# Altium PCB GEM_AFE_128.PcbDoc (part 9 of 18) (continued)
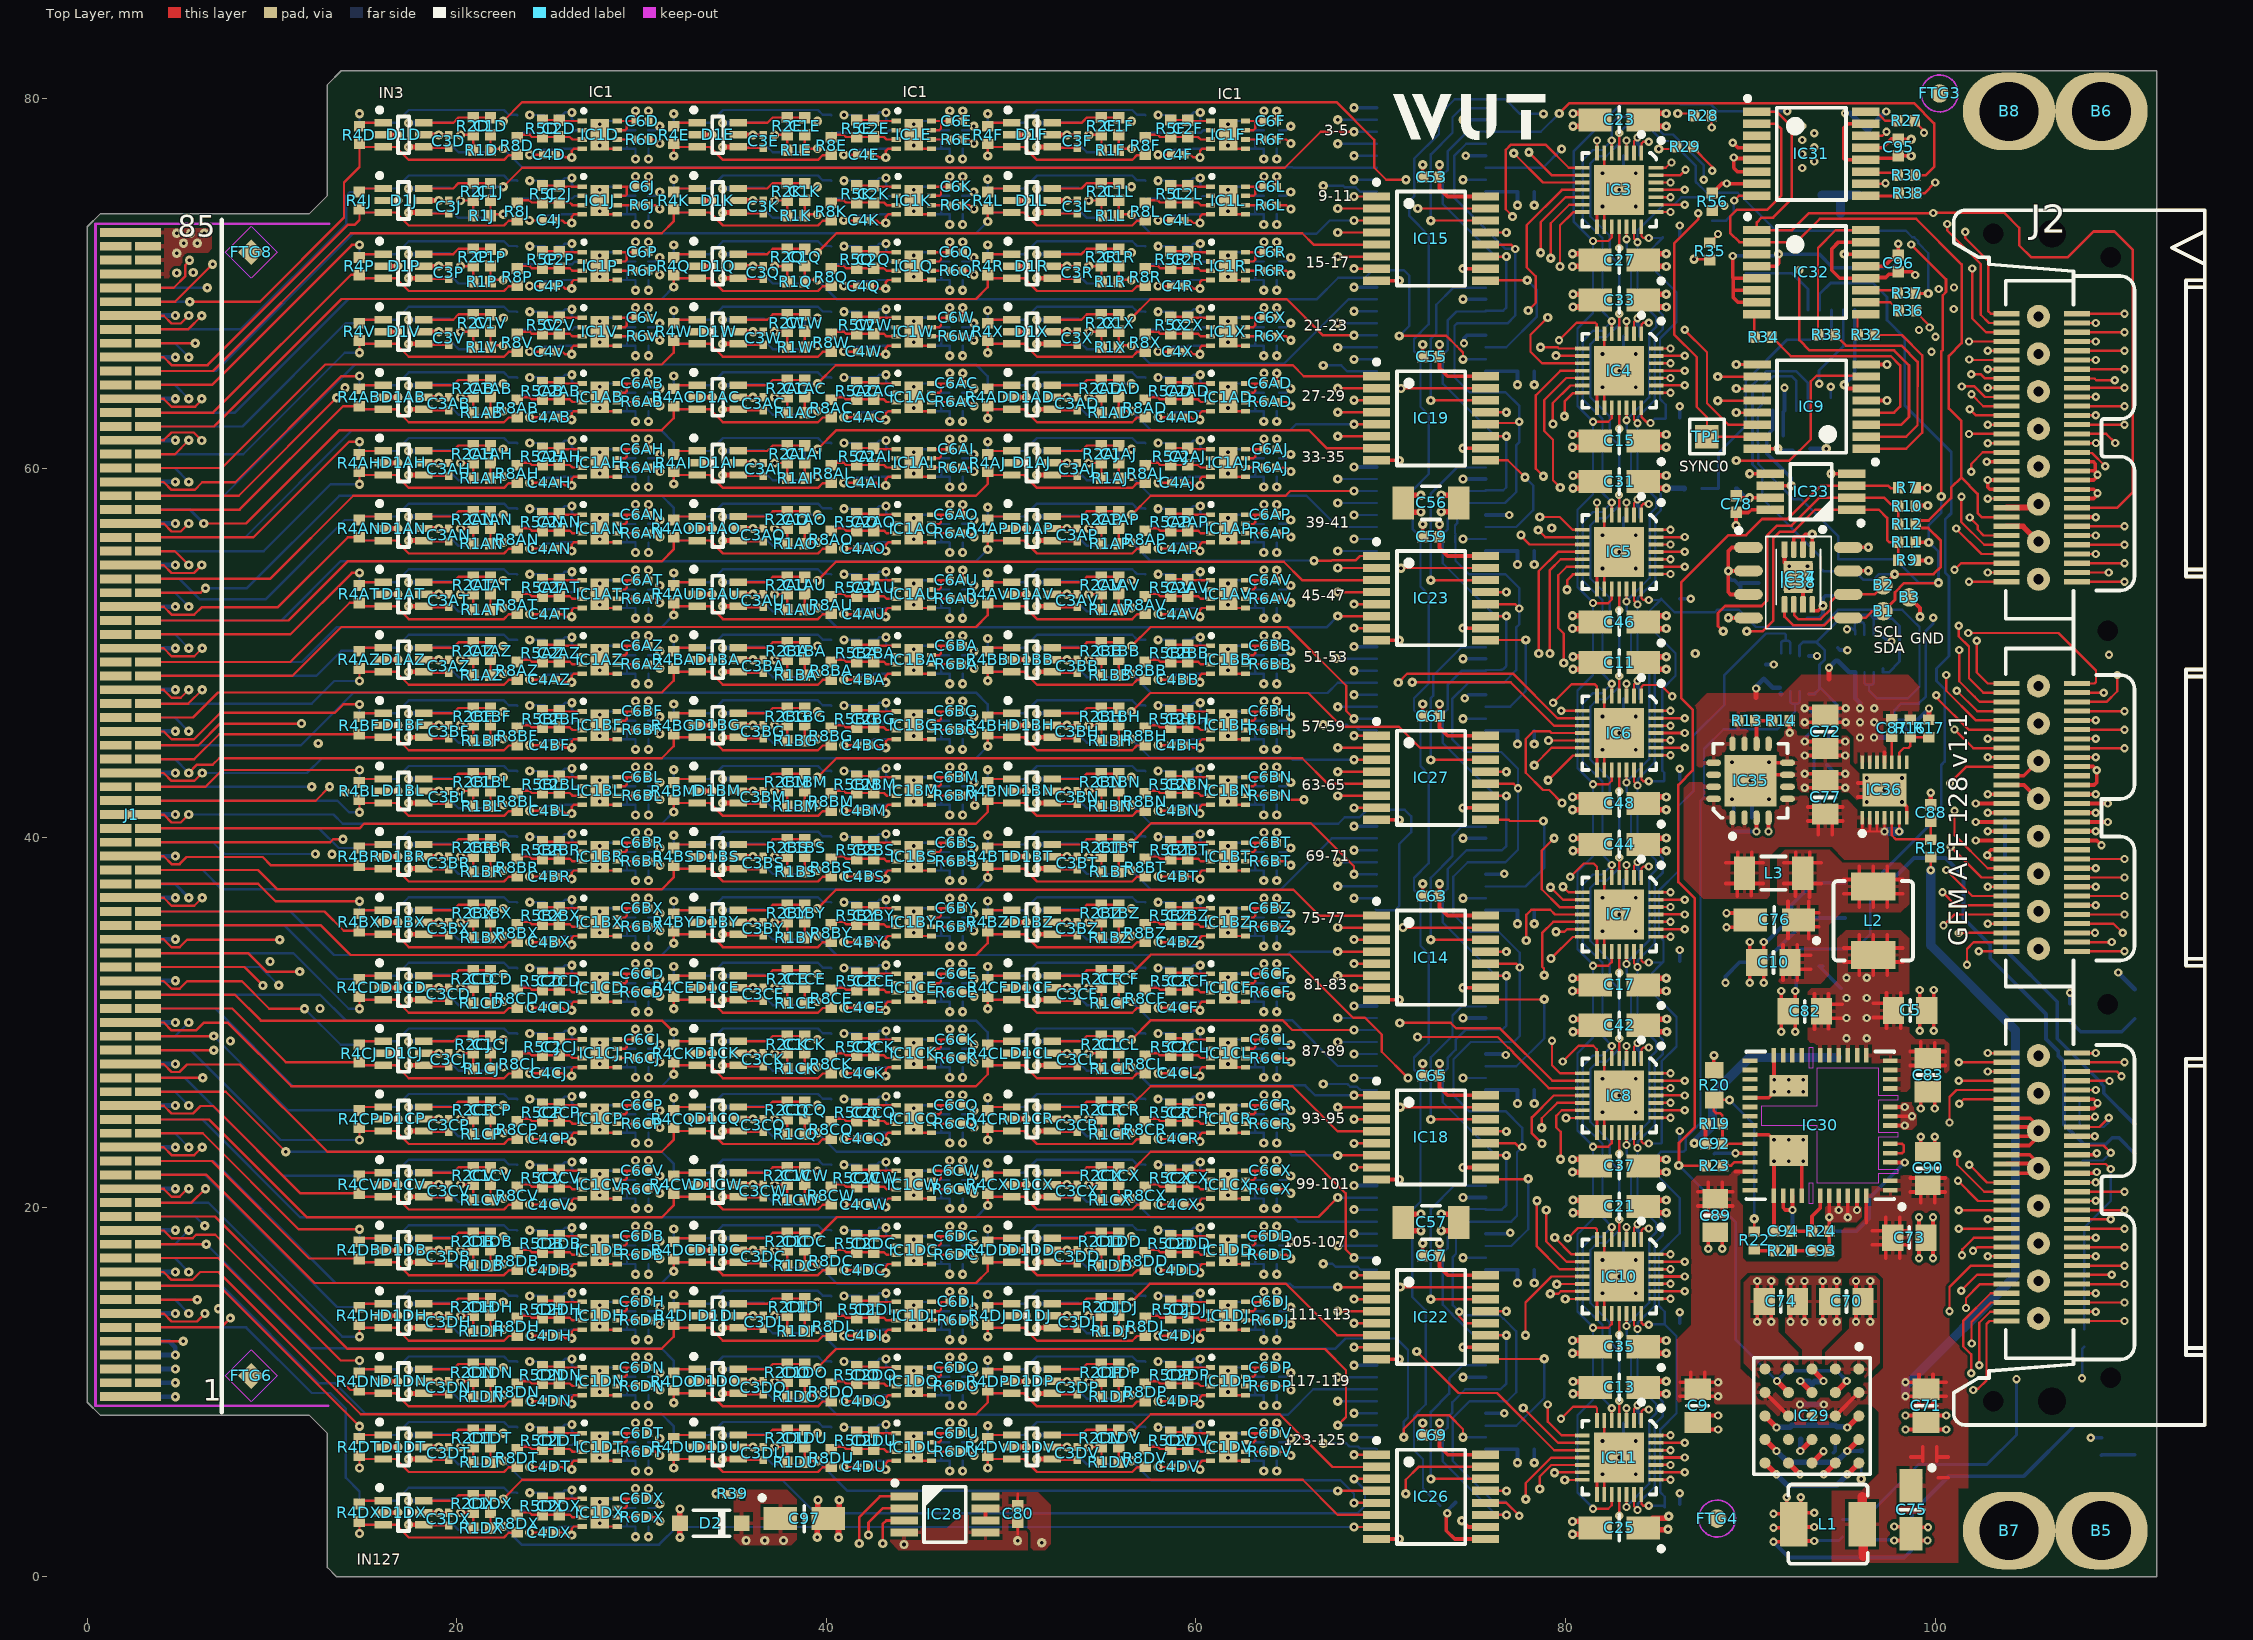
[diagram p0: Top Layer view]
## Nets (pads, with @x,y where several pads share a name; then routed paths per layer and width w, separated by ;. In a path a pad name is that pad's centre, name@x,y a point inside that pad or via, vN(x,y) a via of type N, cw(c..) or ccw(c..) an arc to the next point about the centre after c; other vN are vias at no path point) (continued)
  Bottom Layer w0.3: v2(92.707,10.598) 92.736,10.569 93.181,10.569 93.33,10.42 93.479,10.569 93.899,10.569 v2@93.953,10.622 ; v2@95.175,79.2 95.4,79.2 96.4,78.2 96.4,78.344 v2(97.349,79.293)
  other v1: 44.2,1.75 50.35,1.95 40.657,2.138 30.373,2.174 23.941,2.4 17.384,2.817 27.736,2.9 27.736,4.05 17.384,4.117 39.543,4.162 23.952,4.55 82,5.553 23.941,5.95 40.941,5.95 57.941,5.95 17.384,6.367 34.384,6.367 51.384,6.367 27.736,6.45 44.736,6.45 61.736,6.45 82.9,6.453 82,7.353 83.8,7.353 27.736,7.6 44.736,7.6 61.736,7.6 17.384,7.667 34.384,7.667 51.384,7.667 23.952,8.1 40.952,8.1 57.952,8.1 23.941,9.5 40.941,9.5 57.941,9.5 17.384,9.917 34.384,9.917 51.384,9.917 27.736,10 44.736,10 61.736,10 27.736,11.15 44.736,11.15 61.736,11.15 17.384,11.217 34.384,11.217 51.384,11.217 23.952,11.65 40.952,11.65 57.952,11.65 30.373,12.824 47.373,12.824 64.373,12.824 23.941,13.05 40.941,13.05 57.941,13.05 17.384,13.467 34.384,13.467 51.384,13.467 27.736,13.55 44.736,13.55 61.736,13.55 7.105,14.511 27.736,14.7 44.736,14.7 61.736,14.7 17.384,14.767 34.384,14.767 51.384,14.767 23.952,15.2 40.952,15.2 57.952,15.2 82,15.349 82.9,16.249 23.941,16.6 40.941,16.6 57.941,16.6 17.384,17.017 34.384,17.017 51.384,17.017 27.736,17.1 44.736,17.1 61.736,17.1 82,17.149 83.8,17.149 27.736,18.25 44.736,18.25 61.736,18.25 17.384,18.317 34.384,18.317 51.384,18.317 23.952,18.75 40.952,18.75 57.952,18.75 23.941,20.15 40.941,20.15 57.941,20.15 17.384,20.567 34.384,20.567 51.384,20.567 27.736,20.65 44.736,20.65 61.736,20.65 27.736,21.8 44.736,21.8 61.736,21.8 17.384,21.867 34.384,21.867 51.384,21.867 23.952,22.3 40.952,22.3 57.952,22.3 91.283,22.481 92.075,22.481 92.868,22.481 30.373,23.474 47.373,23.474 64.373,23.474 91.283,23.644 92.075,23.644 92.868,23.644 23.941,23.7 40.941,23.7 57.941,23.7 17.384,24.117 34.384,24.117 51.384,24.117 27.736,24.2 44.736,24.2 61.736,24.2 82,25.145 27.736,25.35 44.736,25.35 61.736,25.35 17.384,25.417 34.384,25.417 51.384,25.417 23.952,25.85 40.952,25.85 57.952,25.85 82.9,26.045 91.29,26.251 92.075,26.251 92.86,26.251 91.29,26.899 92.075,26.899 92.86,26.899 82,26.945 83.8,26.945 23.941,27.25 40.941,27.25 57.941,27.25 17.384,27.667 34.384,27.667 51.384,27.667 27.736,27.75 44.736,27.75 61.736,27.75 27.736,28.9 44.736,28.9 61.736,28.9 17.384,28.967 34.384,28.967 51.384,28.967 7.75,29 23.952,29.4 40.952,29.4 57.952,29.4 30.373,30.574 47.373,30.574 64.373,30.574 12.6,30.75 23.941,30.8 40.941,30.8 57.941,30.8 17.384,31.217 34.384,31.217 51.384,31.217 27.736,31.3 44.736,31.3 61.736,31.3 27.736,32.45 44.736,32.45 61.736,32.45 17.384,32.517 34.384,32.517 51.384,32.517 23.952,32.95 40.952,32.95 57.952,32.95 9.9,33.3 30.373,34.124 47.373,34.124 64.373,34.124 23.941,34.35 40.941,34.35 57.941,34.35 17.384,34.767 34.384,34.767 51.384,34.767 27.736,34.85 44.736,34.85 61.736,34.85 82,34.941 82.9,35.841 27.736,36 44.736,36 61.736,36 17.384,36.067 34.384,36.067 51.384,36.067 23.952,36.5 40.952,36.5 57.952,36.5 82,36.741 83.8,36.741 23.941,37.9 40.941,37.9 57.941,37.9 17.384,38.317 34.384,38.317 51.384,38.317 27.736,38.4 44.736,38.4 61.736,38.4 13.25,39.1 27.736,39.55 44.736,39.55 61.736,39.55 17.384,39.617 34.384,39.617 51.384,39.617 23.952,40.05 40.952,40.05 57.952,40.05 30.373,41.224 47.373,41.224 64.373,41.224 23.941,41.45 40.941,41.45 57.941,41.45 17.384,41.867 34.384,41.867 51.384,41.867 27.736,41.95 44.736,41.95 61.736,41.95 13.971,42.468 27.736,43.1 44.736,43.1 61.736,43.1 17.384,43.167 34.384,43.167 51.384,43.167 23.952,43.6 40.952,43.6 57.952,43.6 82,44.758 23.941,45 40.941,45 57.941,45 12.5,45.1 17.384,45.417 34.384,45.417 51.384,45.417 27.736,45.5 44.736,45.5 61.736,45.5 82.9,45.658 82,46.558 83.8,46.558 27.736,46.65 44.736,46.65 61.736,46.65 17.384,46.717 34.384,46.717 51.384,46.717 23.952,47.15 40.952,47.15 57.952,47.15 23.941,48.55 40.941,48.55 57.941,48.55 17.384,48.967 34.384,48.967 51.384,48.967 27.736,49.05 44.736,49.05 61.736,49.05 87.012,49.96 27.736,50.2 44.736,50.2 61.736,50.2 17.384,50.267 34.384,50.267 51.384,50.267 23.952,50.7 40.952,50.7 57.952,50.7 30.373,51.874 47.373,51.874 64.373,51.874 88.81,51.892 23.941,52.1 40.941,52.1 57.941,52.1 17.384,52.517 34.384,52.517 51.384,52.517 27.736,52.6 44.736,52.6 61.736,52.6 27.736,53.75 44.736,53.75 61.736,53.75 17.384,53.817 34.384,53.817 51.384,53.817 23.952,54.25 40.952,54.25 57.952,54.25 96.387,54.437 82,54.558 82.9,55.458 23.941,55.65 40.941,55.65 57.941,55.65 17.384,56.067 34.384,56.067 51.384,56.067 27.736,56.15 44.736,56.15 61.736,56.15 82,56.358 83.8,56.358 79.25,56.75 27.736,57.3 44.736,57.3 61.736,57.3 17.384,57.367 34.384,57.367 51.384,57.367 23.952,57.8 40.952,57.8 57.952,57.8 23.941,59.2 40.941,59.2 57.941,59.2 17.384,59.617 34.384,59.617 51.384,59.617 27.736,59.7 44.736,59.7 61.736,59.7 27.736,60.85 44.736,60.85 61.736,60.85 17.384,60.917 34.384,60.917 51.384,60.917 23.952,61.35 40.952,61.35 57.952,61.35 30.373,62.524 47.373,62.524 64.373,62.524 23.941,62.75 40.941,62.75 57.941,62.75 17.384,63.167 34.384,63.167 51.384,63.167 27.736,63.25 44.736,63.25 61.736,63.25 13.95,64.35 82.002,64.365 27.736,64.4 44.736,64.4 61.736,64.4 17.384,64.467 34.384,64.467 51.384,64.467 23.952,64.9 40.952,64.9 57.952,64.9 82.902,65.265 82.002,66.165 23.941,66.3 40.941,66.3 57.941,66.3 17.384,66.717 34.384,66.717 51.384,66.717 27.736,66.8 44.736,66.8 61.736,66.8 27.736,67.95 44.736,67.95 61.736,67.95 17.384,68.017 34.384,68.017 51.384,68.017 23.952,68.45 40.952,68.45 57.952,68.45 30.373,69.624 47.373,69.624 64.373,69.624 23.941,69.85 40.941,69.85 57.941,69.85 17.384,70.267 34.384,70.267 51.384,70.267 27.736,70.35 44.736,70.35 61.736,70.35 4.85,70.55 5.747,70.578 27.736,71.5 44.736,71.5 61.736,71.5 17.384,71.567 34.384,71.567 51.384,71.567 23.952,72 40.952,72 57.952,72 30.373,73.174 47.373,73.174 64.373,73.174 23.941,73.4 40.941,73.4 57.941,73.4 17.384,73.817 34.384,73.817 51.384,73.817 27.736,73.9 44.736,73.9 61.736,73.9 82,74.15 27.736,75.05 44.736,75.05 61.736,75.05 82.897,75.051 17.384,75.117 34.384,75.117 51.384,75.117 23.952,75.55 40.952,75.55 57.952,75.55 82,75.95 83.8,75.95 23.941,76.95 40.941,76.95 57.941,76.95 17.384,77.367 34.384,77.367 51.384,77.367 27.736,77.45 44.736,77.45 61.736,77.45 27.736,78.6 44.736,78.6 61.736,78.6 17.384,78.667 34.384,78.667 51.384,78.667 23.952,79.1 40.952,79.1 57.952,79.1
  other v2: 93.953,10.598 109.402,49.902 95.251,50.137 95.123,79.19
  other v3: 96.305,41.928 91.011,42.075 97.255,42.578 90.008,43.077 96.305,43.228 98.205,43.228 89.005,44.078 91.011,44.078 92.108,53.509 93.088,53.509 92.108,54.689 93.088,54.689
IN_CLAMP: C3A.2 C3AA.2 C3AB.2 C3AC.2 C3AD.2 C3AE.2 C3AF.2 C3AG.2 C3AH.2 C3AI.2 C3AJ.2 C3AK.2 C3AL.2 C3AM.2 C3AN.2 C3AO.2 C3AP.2 C3AQ.2 C3AR.2 C3AS.2 C3AT.2 C3AU.2 C3AV.2 C3AW.2 C3AX.2 C3AY.2 C3AZ.2 C3B.2 C3BA.2 C3BB.2 C3BC.2 C3BD.2 C3BE.2 C3BF.2 C3BG.2 C3BH.2 C3BI.2 C3BJ.2 C3BK.2 C3BL.2 C3BM.2 C3BN.2 C3BO.2 C3BP.2 C3BQ.2 C3BR.2 C3BS.2 C3BT.2 C3BU.2 C3BV.2 C3BW.2 C3BX.2 C3BY.2 C3BZ.2 C3C.2 C3CA.2 C3CB.2 C3CC.2 C3CD.2 C3CE.2 C3CF.2 C3CG.2 C3CH.2 C3CI.2 C3CJ.2 C3CK.2 C3CL.2 C3CM.2 C3CN.2 C3CO.2 C3CP.2 C3CQ.2 C3CR.2 C3CS.2 C3CT.2 C3CU.2 C3CV.2 C3CW.2 C3CX.2 C3CY.2 C3CZ.2 C3D.2 C3DA.2 C3DB.2 C3DC.2 C3DD.2 C3DE.2 C3DF.2 C3DG.2 C3DH.2 C3DI.2 C3DJ.2 C3DK.2 C3DL.2 C3DM.2 C3DN.2 C3DO.2 C3DP.2 C3DQ.2 C3DR.2 C3DS.2 C3DT.2 C3DU.2 C3DV.2 C3DW.2 C3DX.2 C3E.2 C3F.2 C3G.2 C3H.2 C3I.2 C3J.2 C3K.2 C3L.2 C3M.2 C3N.2 C3O.2 C3P.2 C3Q.2 C3R.2 C3S.2 C3T.2 C3U.2 C3V.2 C3W.2 C3X.2 C3Y.2 C3Z.2 C97.1 D1A.5 D1AA.5 D1AB.5 D1AC.5 D1AD.5 D1AE.5 D1AF.5 D1AG.5 D1AH.5 D1AI.5 D1AJ.5 D1AK.5 D1AL.5 D1AM.5 D1AN.5 D1AO.5 D1AP.5 D1AQ.5 D1AR.5 D1AS.5 D1AT.5 D1AU.5 D1AV.5 D1AW.5 D1AX.5 D1AY.5 D1AZ.5 D1B.5 D1BA.5 D1BB.5 D1BC.5 D1BD.5 D1BE.5 D1BF.5 D1BG.5 D1BH.5 D1BI.5 D1BJ.5 D1BK.5 D1BL.5 D1BM.5 D1BN.5 D1BO.5 D1BP.5 D1BQ.5 D1BR.5 D1BS.5 D1BT.5 D1BU.5 D1BV.5 D1BW.5 D1BX.5 D1BY.5 D1BZ.5 D1C.5 D1CA.5 D1CB.5 D1CC.5 D1CD.5 D1CE.5 D1CF.5 D1CG.5 D1CH.5 D1CI.5 D1CJ.5 D1CK.5 D1CL.5 D1CM.5 D1CN.5 D1CO.5 D1CP.5 D1CQ.5 D1CR.5 D1CS.5 D1CT.5 D1CU.5 D1CV.5 D1CW.5 D1CX.5 D1CY.5 D1CZ.5 D1D.5 D1DA.5 D1DB.5 D1DC.5 D1DD.5 D1DE.5 D1DF.5 D1DG.5 D1DH.5 D1DI.5 D1DJ.5 D1DK.5 D1DL.5 D1DM.5 D1DN.5 D1DO.5 D1DP.5 D1DQ.5 D1DR.5 D1DS.5 D1DT.5 D1DU.5 D1DV.5 D1DW.5 D1DX.5 D1E.5 D1F.5 D1G.5 D1H.5 D1I.5 D1J.5 D1K.5 D1L.5 D1M.5 D1N.5 D1O.5 D1P.5 D1Q.5 D1R.5 D1S.5 D1T.5 D1U.5 D1V.5 D1W.5 D1X.5 D1Y.5 D1Z.5 D2.1 R39.2 | length 174.9
  Top Layer w0.127: v1(19.025,3.475) C3DX.2@19.625,3.475 ; v1(19.025,7.025) C3DT.2@19.575,7.025 ; v1(19.025,10.575) C3DN.2@19.625,10.575 ; v1(19.025,14.125) C3DH.2@19.625,14.125 ; v1(19.025,17.675) C3DB.2@19.625,17.675 ; v1(19.025,21.225) C3CV.2@19.625,21.225 ; v1(19.025,24.775) C3CP.2@19.575,24.775 ; v1(19.025,28.325) C3CJ.2@19.575,28.325 ; v1(19.025,31.875) C3CD.2@19.575,31.875 ; v1(19.025,35.425) C3BX.2@19.575,35.425 ; v1(19.025,38.975) C3BR.2@19.575,38.975 ; v1(19.025,42.525) C3BL.2@19.625,42.525 ; v1(19.025,46.075) C3BF.2@19.625,46.075 ; v1(19.025,49.625) C3AZ.2@19.625,49.625 ; v1(19.025,53.175) C3AT.2@19.625,53.175 ; v1(19.025,56.725) C3AN.2@19.625,56.725 ; v1(19.025,60.275) C3AH.2@19.575,60.275 ; v1(19.025,63.825) C3AB.2@19.575,63.825 ; v1(19.025,67.375) C3V.2@19.575,67.375 ; v1(19.025,70.925) C3P.2@19.575,70.925 ; v1(19.025,74.475) C3J.2@19.625,74.475 ; v1(19.025,78.025) C3D.2@19.625,78.025 ; v1(36.025,7.025) C3DU.2@36.575,7.025 C3DU.2@36.625,7.025 ; v1(36.025,10.575) C3DO.2@36.625,10.575 ; v1(36.025,14.125) C3DI.2@36.625,14.125 ; v1(36.025,17.675) C3DC.2@36.625,17.675 ; v1(36.025,21.225) C3CW.2@36.625,21.225 ; v1(36.025,24.775) C3CQ.2@36.575,24.775 ; v1(36.025,28.325) C3CK.2@36.575,28.325 ; v1(36.025,31.875) C3CE.2@36.575,31.875 ; v1(36.025,35.425) C3BY.2@36.575,35.425 ; v1(36.025,38.975) C3BS.2@36.575,38.975 ; v1(36.025,42.525) C3BM.2@36.625,42.525 ; v1(36.025,46.075) C3BG.2@36.625,46.075 ; v1(36.025,49.625) C3BA.2@36.625,49.625 ; v1(36.025,53.175) C3AU.2@36.625,53.175 ; v1(36.025,56.725) C3AO.2@36.625,56.725 ; v1(36.025,60.275) C3AI.2@36.575,60.275 ; v1(36.025,63.825) C3AC.2@36.575,63.825 ; v1(36.025,67.375) C3W.2@36.575,67.375 ; v1(36.025,70.925) C3Q.2@36.575,70.925 ; v1(36.025,74.475) C3K.2@36.625,74.475 ; v1(36.025,78.025) C3E.2@36.625,78.025 ; v1(53.025,7.025) C3DV.2@53.575,7.025 C3DV.2@53.625,7.025 ; v1(53.025,10.575) C3DP.2@53.625,10.575 ; v1(53.025,14.125) C3DJ.2@53.625,14.125 ; v1(53.025,17.675) C3DD.2@53.625,17.675 ; v1(53.025,21.225) C3CX.2@53.625,21.225 ; v1(53.025,24.775) C3CR.2@53.575,24.775 ; v1(53.025,28.325) C3CL.2@53.575,28.325 ; v1(53.025,31.875) C3CF.2@53.575,31.875 ; v1(53.025,35.425) C3BZ.2@53.575,35.425 ; v1(53.025,38.975) C3BT.2@53.575,38.975 ; v1(53.025,42.525) C3BN.2@53.625,42.525 ; v1(53.025,46.075) C3BH.2@53.625,46.075 ; v1(53.025,49.625) C3BB.2@53.625,49.625 ; v1(53.025,53.175) C3AV.2@53.625,53.175 ; v1(53.025,56.725) C3AP.2@53.625,56.725 ; v1(53.025,60.275) C3AJ.2@53.575,60.275 ; v1(53.025,63.825) C3AD.2@53.575,63.825 ; v1(53.025,67.375) C3X.2@53.575,67.375 ; v1(53.025,70.925) C3R.2@53.575,70.925 ; v1(53.025,74.475) C3L.2@53.625,74.475 ; v1(53.025,78.025) C3F.2@53.625,78.025
  Top Layer w0.254: D1DX.5@18.225,3.475 v1(19.025,3.475) ; D1DT.5@18.225,7.025 v1(19.025,7.025) ; D1DN.5@18.225,10.575 v1(19.025,10.575) ; D1DH.5@18.225,14.125 v1(19.025,14.125) ; D1DB.5@18.225,17.675 v1(19.025,17.675) ; D1CV.5@18.225,21.225 v1(19.025,21.225) ; D1CP.5@18.225,24.775 v1(19.025,24.775) ; D1CJ.5@18.225,28.325 v1(19.025,28.325) ; D1CD.5@18.225,31.875 v1(19.025,31.875) ; D1BX.5@18.225,35.425 v1(19.025,35.425) ; D1BR.5@18.225,38.975 v1(19.025,38.975) ; D1BL.5@18.225,42.525 v1(19.025,42.525) ; D1BF.5@18.225,46.075 v1(19.025,46.075) ; D1AZ.5@18.225,49.625 v1(19.025,49.625) ; D1AT.5@18.225,53.175 v1(19.025,53.175) ; D1AN.5@18.225,56.725 v1(19.025,56.725) ; D1AH.5@18.225,60.275 v1(19.025,60.275) ; D1AB.5@18.225,63.825 v1(19.025,63.825) ; D1V.5@18.225,67.375 v1(19.025,67.375) ; D1P.5@18.225,70.925 v1(19.025,70.925) ; D1J.5@18.225,74.475 v1(19.025,74.475) ; D1D.5@18.225,78.025 v1(19.025,78.025) ; D1DU.5@35.225,7.025 v1(36.025,7.025) ; D1DO.5@35.225,10.575 v1(36.025,10.575) ; D1DI.5@35.225,14.125 v1(36.025,14.125) ; D1DC.5@35.225,17.675 v1(36.025,17.675) ; D1CW.5@35.225,21.225 v1(36.025,21.225) ; D1CQ.5@35.225,24.775 v1(36.025,24.775) ; D1CK.5@35.225,28.325 v1(36.025,28.325) ; D1CE.5@35.225,31.875 v1(36.025,31.875) ; D1BY.5@35.225,35.425 v1(36.025,35.425) ; D1BS.5@35.225,38.975 v1(36.025,38.975) ; D1BM.5@35.225,42.525 v1(36.025,42.525) ; D1BG.5@35.225,46.075 v1(36.025,46.075) ; D1BA.5@35.225,49.625 v1(36.025,49.625) ; D1AU.5@35.225,53.175 v1(36.025,53.175) ; D1AO.5@35.225,56.725 v1(36.025,56.725) ; D1AI.5@35.225,60.275 v1(36.025,60.275) ; D1AC.5@35.225,63.825 v1(36.025,63.825) ; D1W.5@35.225,67.375 v1(36.025,67.375) ; D1Q.5@35.225,70.925 v1(36.025,70.925) ; D1K.5@35.225,74.475 v1(36.025,74.475) ; D1E.5@35.225,78.025 v1(36.025,78.025) ; D1DV.5@52.225,7.025 v1(53.025,7.025) ; D1DP.5@52.225,10.575 v1(53.025,10.575) ; D1DJ.5@52.225,14.125 v1(53.025,14.125) ; D1DD.5@52.225,17.675 v1(53.025,17.675) ; D1CX.5@52.225,21.225 v1(53.025,21.225) ; D1CR.5@52.225,24.775 v1(53.025,24.775) ; D1CL.5@52.225,28.325 v1(53.025,28.325) ; D1CF.5@52.225,31.875 v1(53.025,31.875) ; D1BZ.5@52.225,35.425 v1(53.025,35.425) ; D1BT.5@52.225,38.975 v1(53.025,38.975) ; D1BN.5@52.225,42.525 v1(53.025,42.525) ; D1BH.5@52.225,46.075 v1(53.025,46.075) ; D1BB.5@52.225,49.625 v1(53.025,49.625) ; D1AV.5@52.225,53.175 v1(53.025,53.175) ; D1AP.5@52.225,56.725 v1(53.025,56.725) ; D1AJ.5@52.225,60.275 v1(53.025,60.275) ; D1AD.5@52.225,63.825 v1(53.025,63.825) ; D1X.5@52.225,67.375 v1(53.025,67.375) ; D1R.5@52.225,70.925 v1(53.025,70.925) ; D1L.5@52.225,74.475 v1(53.025,74.475) ; D1F.5@52.225,78.025 v1(53.025,78.025)
  Bottom Layer w0.127: v1(19.025,3.475) C3DW.2@19.625,3.475 ; v1(19.025,7.025) C3DQ.2@19.575,7.025 ; v1(19.025,10.575) C3DK.2@19.575,10.575 ; v1(19.025,14.125) C3DE.2@19.575,14.125 ; v1(19.025,17.675) C3CY.2@19.575,17.675 ; v1(19.025,21.225) C3CS.2@19.575,21.225 ; v1(19.025,24.775) C3CM.2@19.575,24.775 ; v1(19.025,28.325) C3CG.2@19.575,28.325 ; v1(19.025,31.875) C3CA.2@19.575,31.875 ; v1(19.025,35.425) C3BU.2@19.575,35.425 ; v1(19.025,38.975) C3BO.2@19.575,38.975 ; v1(19.025,42.525) C3BI.2@19.575,42.525 ; v1(19.025,46.075) C3BC.2@19.575,46.075 ; v1(19.025,49.625) C3AW.2@19.575,49.625 ; v1(19.025,53.175) C3AQ.2@19.575,53.175 ; v1(19.025,56.725) C3AK.2@19.575,56.725 ; v1(19.025,60.275) C3AE.2@19.575,60.275 ; v1(19.025,63.825) C3Y.2@19.575,63.825 ; v1(19.025,67.375) C3S.2@19.575,67.375 ; v1(19.025,70.925) C3M.2@19.575,70.925 ; v1(19.025,74.475) C3G.2@19.575,74.475 ; v1(19.025,78.025) C3A.2@19.625,78.025 ; v1(36.025,7.025) C3DR.2@36.575,7.025 C3DR.2@36.625,7.025 ; v1(36.025,10.575) C3DL.2@36.575,10.575 ; v1(36.025,14.125) C3DF.2@36.575,14.125 ; v1(36.025,17.675) C3CZ.2@36.575,17.675 ; v1(36.025,21.225) C3CT.2@36.575,21.225 ; v1(36.025,24.775) C3CN.2@36.575,24.775 ; v1(36.025,28.325) C3CH.2@36.575,28.325 ; v1(36.025,31.875) C3CB.2@36.575,31.875 ; v1(36.025,35.425) C3BV.2@36.575,35.425 ; v1(36.025,38.975) C3BP.2@36.575,38.975 ; v1(36.025,42.525) C3BJ.2@36.575,42.525 ; v1(36.025,46.075) C3BD.2@36.575,46.075 ; v1(36.025,49.625) C3AX.2@36.575,49.625 ; v1(36.025,53.175) C3AR.2@36.575,53.175 ; v1(36.025,56.725) C3AL.2@36.575,56.725 ; v1(36.025,60.275) C3AF.2@36.575,60.275 ; v1(36.025,63.825) C3Z.2@36.575,63.825 ; v1(36.025,67.375) C3T.2@36.575,67.375 ; v1(36.025,70.925) C3N.2@36.575,70.925 ; v1(36.025,74.475) C3H.2@36.575,74.475 ; v1(36.025,78.025) C3B.2@36.625,78.025 ; v1(53.025,7.025) C3DS.2@53.575,7.025 C3DS.2@53.625,7.025 ; v1(53.025,10.575) C3DM.2@53.575,10.575 ; v1(53.025,14.125) C3DG.2@53.575,14.125 ; v1(53.025,17.675) C3DA.2@53.575,17.675 ; v1(53.025,21.225) C3CU.2@53.575,21.225 ; v1(53.025,24.775) C3CO.2@53.575,24.775 ; v1(53.025,28.325) C3CI.2@53.575,28.325 ; v1(53.025,31.875) C3CC.2@53.575,31.875 ; v1(53.025,35.425) C3BW.2@53.575,35.425 ; v1(53.025,38.975) C3BQ.2@53.575,38.975 ; v1(53.025,42.525) C3BK.2@53.575,42.525 ; v1(53.025,46.075) C3BE.2@53.575,46.075 ; v1(53.025,49.625) C3AY.2@53.575,49.625 ; v1(53.025,53.175) C3AS.2@53.575,53.175 ; v1(53.025,56.725) C3AM.2@53.575,56.725 ; v1(53.025,60.275) C3AG.2@53.575,60.275 ; v1(53.025,63.825) C3AA.2@53.575,63.825 ; v1(53.025,67.375) C3U.2@53.575,67.375 ; v1(53.025,70.925) C3O.2@53.575,70.925 ; v1(53.025,74.475) C3I.2@53.575,74.475 ; v1(53.025,78.025) C3C.2@53.625,78.025
  Bottom Layer w0.254: D1DW.5@18.225,3.475 v1(19.025,3.475) ; D1DQ.5@18.225,7.025 v1(19.025,7.025) ; D1DK.5@18.225,10.575 v1(19.025,10.575) ; D1DE.5@18.225,14.125 v1(19.025,14.125) ; D1CY.5@18.225,17.675 v1(19.025,17.675) ; D1CS.5@18.225,21.225 v1(19.025,21.225) ; D1CM.5@18.225,24.775 v1(19.025,24.775) ; D1CG.5@18.225,28.325 v1(19.025,28.325) ; D1CA.5@18.225,31.875 v1(19.025,31.875) ; D1BU.5@18.225,35.425 v1(19.025,35.425) ; D1BO.5@18.225,38.975 v1(19.025,38.975) ; D1BI.5@18.225,42.525 v1(19.025,42.525) ; D1BC.5@18.225,46.075 v1(19.025,46.075) ; D1AW.5@18.225,49.625 v1(19.025,49.625) ; D1AQ.5@18.225,53.175 v1(19.025,53.175) ; D1AK.5@18.225,56.725 v1(19.025,56.725) ; D1AE.5@18.225,60.275 v1(19.025,60.275) ; D1Y.5@18.225,63.825 v1(19.025,63.825) ; D1S.5@18.225,67.375 v1(19.025,67.375) ; D1M.5@18.225,70.925 v1(19.025,70.925) ; D1G.5@18.225,74.475 v1(19.025,74.475) ; D1A.5@18.225,78.025 v1(19.025,78.025) ; D1DR.5@35.225,7.025 v1(36.025,7.025) ; D1DL.5@35.225,10.575 v1(36.025,10.575) ; D1DF.5@35.225,14.125 v1(36.025,14.125) ; D1CZ.5@35.225,17.675 v1(36.025,17.675) ; D1CT.5@35.225,21.225 v1(36.025,21.225) ; D1CN.5@35.225,24.775 v1(36.025,24.775) ; D1CH.5@35.225,28.325 v1(36.025,28.325) ; D1CB.5@35.225,31.875 v1(36.025,31.875) ; D1BV.5@35.225,35.425 v1(36.025,35.425) ; D1BP.5@35.225,38.975 v1(36.025,38.975) ; D1BJ.5@35.225,42.525 v1(36.025,42.525) ; D1BD.5@35.225,46.075 v1(36.025,46.075) ; D1AX.5@35.225,49.625 v1(36.025,49.625) ; D1AR.5@35.225,53.175 v1(36.025,53.175) ; D1AL.5@35.225,56.725 v1(36.025,56.725) ; D1AF.5@35.225,60.275 v1(36.025,60.275) ; D1Z.5@35.225,63.825 v1(36.025,63.825) ; D1T.5@35.225,67.375 v1(36.025,67.375) ; D1N.5@35.225,70.925 v1(36.025,70.925) ; D1H.5@35.225,74.475 v1(36.025,74.475) ; D1B.5@35.225,78.025 v1(36.025,78.025) ; D1DS.5@52.225,7.025 v1(53.025,7.025) ; D1DM.5@52.225,10.575 v1(53.025,10.575) ; D1DG.5@52.225,14.125 v1(53.025,14.125) ; D1DA.5@52.225,17.675 v1(53.025,17.675) ; D1CU.5@52.225,21.225 v1(53.025,21.225) ; D1CO.5@52.225,24.775 v1(53.025,24.775) ; D1CI.5@52.225,28.325 v1(53.025,28.325) ; D1CC.5@52.225,31.875 v1(53.025,31.875) ; D1BW.5@52.225,35.425 v1(53.025,35.425) ; D1BQ.5@52.225,38.975 v1(53.025,38.975) ; D1BK.5@52.225,42.525 v1(53.025,42.525) ; D1BE.5@52.225,46.075 v1(53.025,46.075) ; D1AY.5@52.225,49.625 v1(53.025,49.625) ; D1AS.5@52.225,53.175 v1(53.025,53.175) ; D1AM.5@52.225,56.725 v1(53.025,56.725) ; D1AG.5@52.225,60.275 v1(53.025,60.275) ; D1AA.5@52.225,63.825 v1(53.025,63.825) ; D1U.5@52.225,67.375 v1(53.025,67.375) ; D1O.5@52.225,70.925 v1(53.025,70.925) ; D1I.5@52.225,74.475 v1(53.025,74.475) ; D1C.5@52.225,78.025 v1(53.025,78.025)
  other v1: 35.658,1.965 36.668,1.965 37.679,1.965
IN_N0: J2.35
IN_N1: J2.82
IN_N2: J2.98
IN_N3: J2.133
IN_P0: D1A.3 J1.81 R4A.1 R8A.1 | length 28.3
  Top Layer w0.127: J1.81@3.3,69.75 4.682,69.75 5.316,70.384 5.316,70.985 5.538,71.207 v1(5.538,71.245)
  L4 w0.127: v1(5.538,71.245) 6.175,71.245 7.693,72.764 13.276,72.764 13.883,73.371 13.883,78.322 v1(14.736,79.175)
  Bottom Layer w0.127: v1@14.736,79.159 R4A.1@14.736,78.487 14.924,78.675 16.7,78.675 17.4,79.375 22.55,79.375 22.809,79.116 23.24,79.116 R8A.1@23.266,79.09
IN_P1: D1B.3 J1.90 R4B.1 R8B.1 | length 43.1
  L4 w0.127: v1(6.5,69.75) 10.1,69.75 12.083,71.733 13.533,71.733 15.018,73.218 15.018,74.443 16.7,76.125 19.7,76.125 21.866,78.291 26.1,78.291 26.925,79.116 28.55,79.116 28.925,78.741 30.5,78.741 30.934,79.175 v1(31.736,79.175)
  Bottom Layer w0.127: J1.90@3.3,69.75 v1(6.5,69.75) ; v1@31.736,79.159 R4B.1@31.736,78.487 31.924,78.675 33.7,78.675 34.4,79.375 39.55,79.375 39.809,79.116 40.24,79.116 R8B.1@40.266,79.09
IN_P2: D1C.3 J1.80 R4C.1 R8C.1 | length 62.7
  Top Layer w0.127: J1.80@3.3,69 4.762,69 v1(6.788,71.027)
  L4 w0.127: v1(6.788,71.027) 7.987,72.225 13.366,72.225 14.304,73.163 14.304,77.929 16.225,79.85 48.061,79.85 v1(48.736,79.175)
  Bottom Layer w0.127: v1@48.736,79.159 R4C.1@48.736,78.487 48.924,78.675 50.7,78.675 51.4,79.375 56.55,79.375 56.809,79.116 57.24,79.116 R8C.1@57.266,79.09
IN_P3: D1D.3 J1.91 R4D.1 R8D.1 | length 26
  Top Layer w0.127: v1(5.55,69) 9.35,69 13.9,73.55 13.9,75.45 14.736,76.286 14.736,77.563 14.924,77.375 16.7,77.375 17.4,76.675 22.551,76.675 22.81,76.934 23.24,76.934 R8D.1@23.266,76.96 ; R8D.1@23.143,76.97 R8D.1@23.266,77.093
  Bottom Layer w0.127: J1.91@3.3,69 v1(5.55,69)
IN_P4: D1E.3 J1.79 R4E.1 R8E.1 | length 44.1
  Top Layer w0.127: J1.79@2.357,68.243 4.146,68.243 4.571,67.818 5.068,67.818 v1(5.5,68.25) ; v1(31.736,76.891) 31.736,77.563 31.924,77.375 33.7,77.375 34.4,76.675 39.551,76.675 39.81,76.934 40.24,76.934 R8E.1@40.266,76.96 ; R8E.1@40.143,76.97 R8E.1@40.266,77.093
  L4 w0.127: v1@5.45,68.25 6.1,67.6 9.6,67.6 12.736,70.736 14.598,70.736 17.248,73.386 19.911,73.386 22.675,76.15 26.725,76.15 27.262,76.687 28.803,76.687 29.44,77.325 30.5,77.325 30.934,76.891 v1(31.736,76.891)
IN_P5: D1F.3 J1.78 R4F.1 R8F.1 | length 62.2
  Top Layer w0.127: J1.78@3.3,67.5 5.457,67.5 v1(6.201,68.244) ; v1(48.736,76.891) 48.736,77.563 48.924,77.375 50.7,77.375 51.4,76.675 56.551,76.675 56.81,76.934 57.24,76.934 R8F.1@57.266,76.96 ; R8F.1@57.143,76.97 R8F.1@57.266,77.093
  L4 w0.127: v1@6.2,68.35 6.6,68.75 9.9,68.75 12.369,71.219 14.48,71.219 15.584,72.324 15.584,74.209 16.975,75.6 20.1,75.6 22.225,77.725 26.725,77.725 27.025,78.025 32.9,78.025 34.025,76.9 37.725,76.9 38.575,77.75 43.7,77.75 44.475,76.975 45.525,76.975 45.925,77.375 47.425,77.375 47.909,76.891 v1(48.736,76.891)